# Altium PCB 0020-03_FFT2G.PcbDoc (part 13 of 16)
Units mm, origin at the board's own origin, x right, y up, seen from the top; angles counter-clockwise.
Board outline 195 x 104.5 mm, 12 copper layers (Top Layer, GND1, LVDS1, PWR1, LVDS2, PWR2, LVDS3, PWR3, SIG1, SIG2, GND2, Bottom Layer), stack 1.422 mm thick; 721 components, 650 nets, 4014 pads, 3497 vias.
Unrouted connection lines stored in the file: 78.
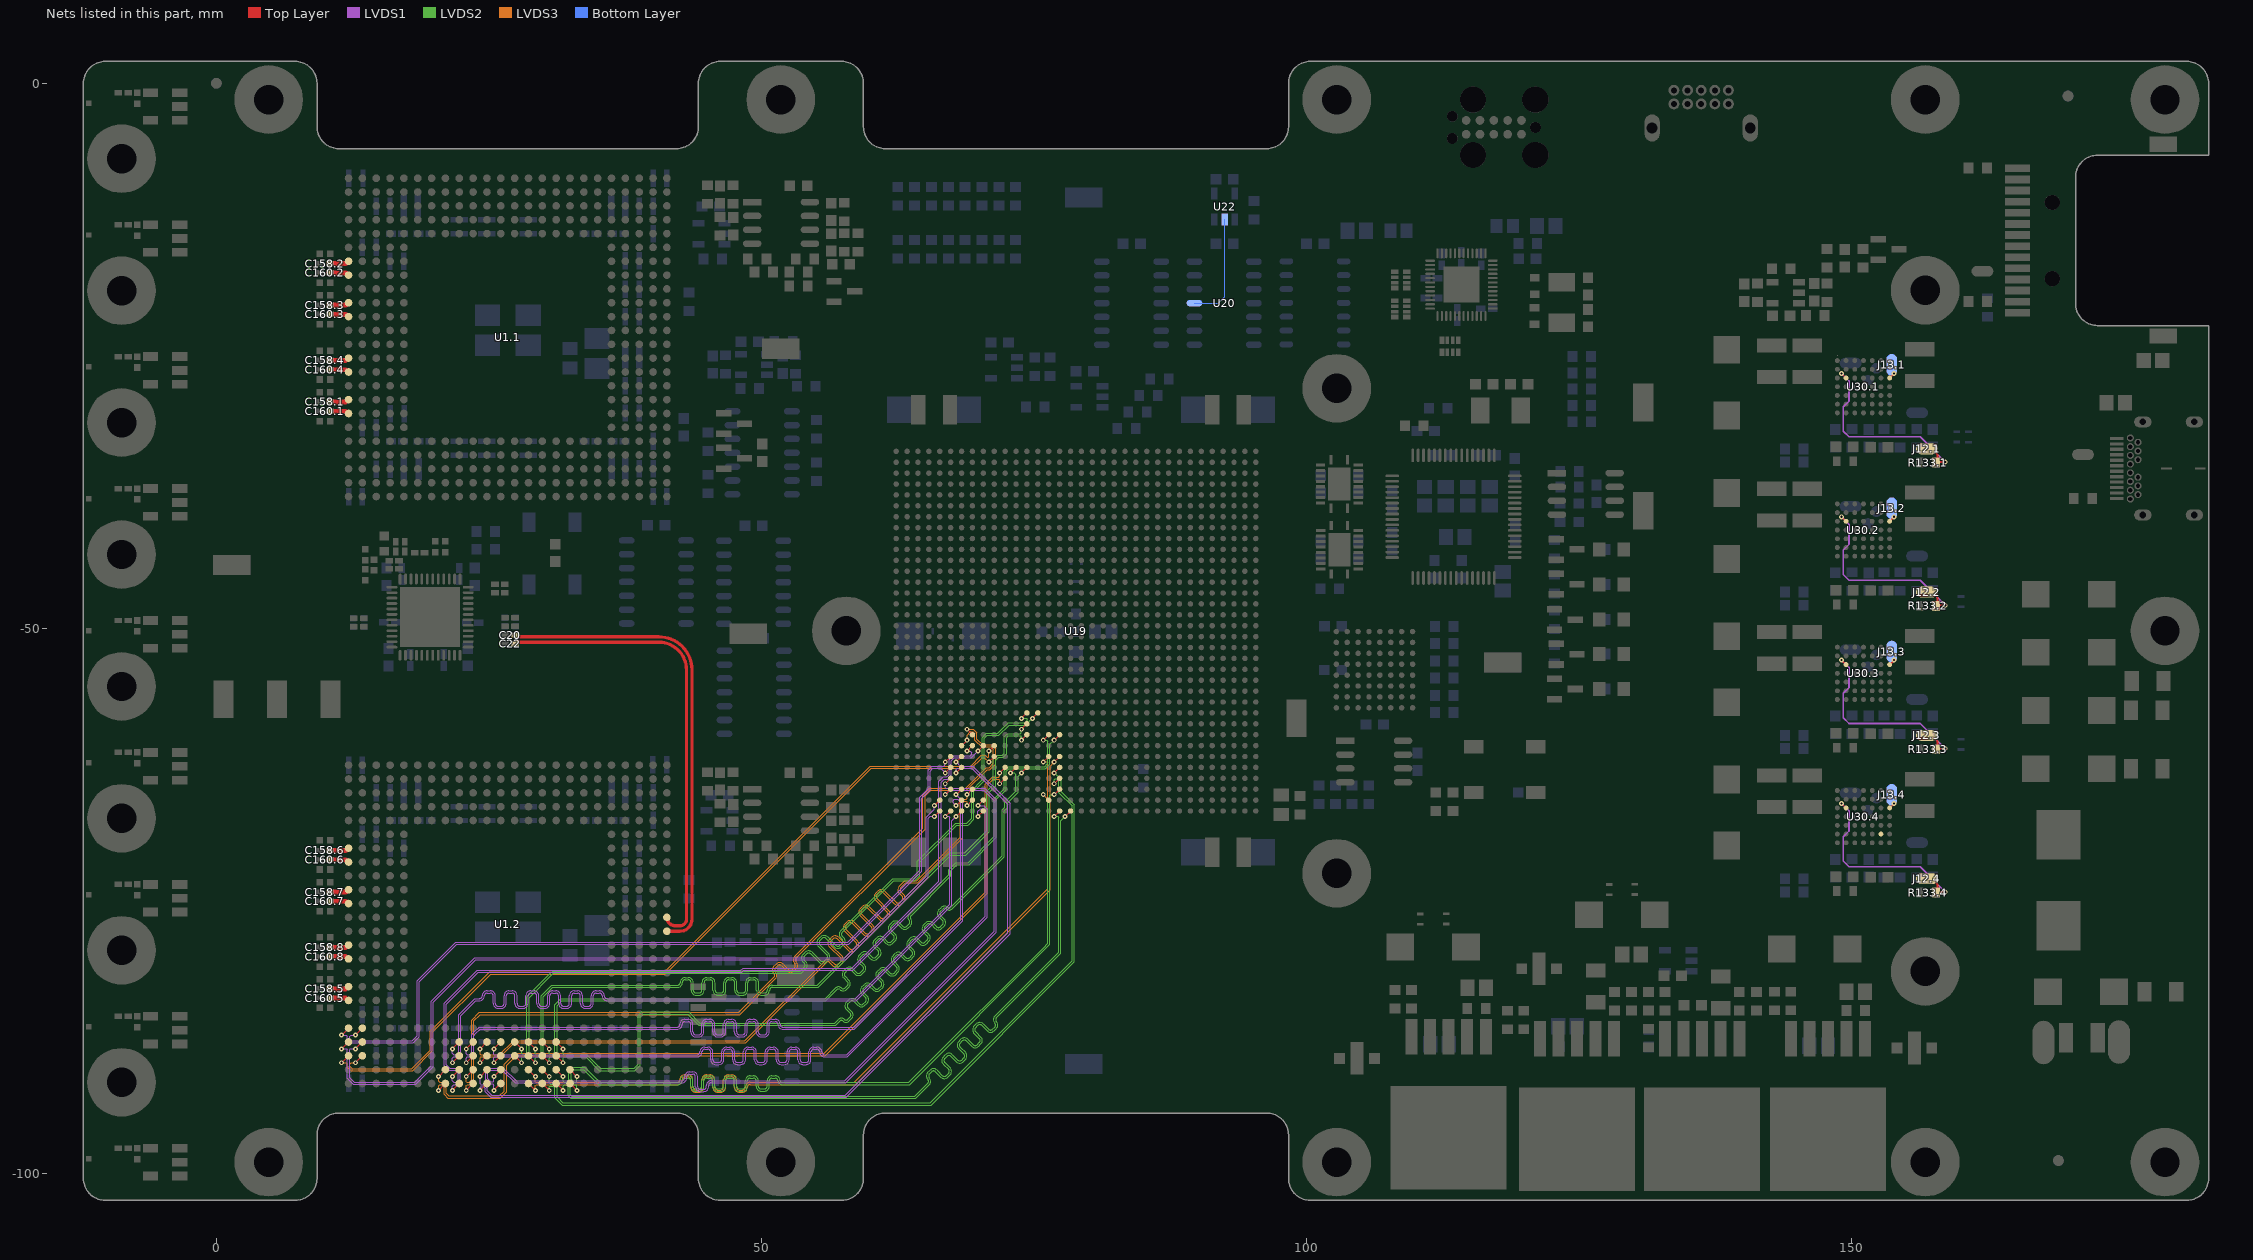
[diagram p23: the nets of this part, all layers, seen from the top]

## Via types
v1: diameter 0.45, hole 0.2, Top Layer to Bottom Layer, tented both sides, 3249 vias
v2: diameter 1, hole 0.5, Top Layer to Bottom Layer, tented both sides, 192 vias
v3: diameter 0.5, hole 0.2, Top Layer to Bottom Layer, tented both sides, 34 vias
v4: diameter 0.6, hole 0.3, Top Layer to Bottom Layer, tented both sides, 12 vias
v5: diameter 0.6, hole 0.2, Top Layer to Bottom Layer, tented both sides, 6 vias
v6: diameter 0.45/0.45/0.45/0.45/0.45/0.45/0.45 (per signal layer), hole 0.2, Top Layer to Bottom Layer, tented both sides, 4 vias

## Nets (pads, with @x,y where several pads share a name; then routed paths per layer and width w, separated by ;. In a path a pad name is that pad's centre, name@x,y a point inside that pad or via, vN(x,y) a via of type N, cw(c..) or ccw(c..) an arc to the next point about the centre after c; other vN are vias at no path point) (continued)
NetU1.1_A7: C160.1.1 U1.1.A7 | length 1.8
  Top Layer w0.45: C160.1.1@10.41,-30.1 11.854,-30.1 12.061,-30.307 U1.1.A7@12.128,-30.307
NetU1.1_A8: C158.1.1 U1.1.A8 | length 1.8
  Top Layer w0.45: C158.1.1@10.41,-29.244 11.854,-29.244 12.061,-29.037 U1.1.A8@12.128,-29.037
NetU1.1_A10: C160.4.1 U1.1.A10 | length 1.8
  Top Layer w0.45: C160.4.1@10.411,-26.29 11.854,-26.29 12.061,-26.497 U1.1.A10@12.128,-26.497
NetU1.1_A11: C158.4.1 U1.1.A11 | length 1.8
  Top Layer w0.45: C158.4.1@10.41,-25.434 11.854,-25.434 12.061,-25.227 U1.1.A11@12.128,-25.227
NetU1.1_A14: C160.3.1 U1.1.A14 | length 1.8
  Top Layer w0.45: C160.3.1@10.41,-21.21 11.854,-21.21 12.061,-21.417 U1.1.A14@12.128,-21.417
NetU1.1_A15: C158.3.1 U1.1.A15 | length 1.8
  Top Layer w0.45: C158.3.1@10.41,-20.354 11.854,-20.354 12.061,-20.147 U1.1.A15@12.128,-20.147
NetU1.1_A17: C160.2.1 U1.1.A17 | length 1.8
  Top Layer w0.45: C160.2.1@10.41,-17.4 11.854,-17.4 12.061,-17.607 U1.1.A17@12.128,-17.607
NetU1.1_A18: C158.2.1 U1.1.A18 | length 1.8
  Top Layer w0.45: C158.2.1@10.41,-16.544 11.854,-16.544 12.061,-16.337 U1.1.A18@12.128,-16.337
NetU1.2_A7: C160.5.1 U1.2.A7 | length 1.8
  Top Layer w0.45: C160.5.1@10.41,-83.953 11.851,-83.953 12.061,-84.163 U1.2.A7@12.128,-84.163
NetU1.2_A8: C158.5.1 U1.2.A8 | length 1.8
  Top Layer w0.45: C158.5.1@10.41,-83.103 11.851,-83.103 12.061,-82.893 U1.2.A8@12.128,-82.893
NetU1.2_A10: C160.8.1 U1.2.A10 | length 1.8
  Top Layer w0.45: C160.8.1@10.41,-80.143 11.851,-80.143 12.061,-80.353 U1.2.A10@12.128,-80.353
NetU1.2_A11: C158.8.1 U1.2.A11 | length 1.8
  Top Layer w0.45: C158.8.1@10.41,-79.293 11.851,-79.293 12.061,-79.083 U1.2.A11@12.128,-79.083
NetU1.2_A14: C160.7.1 U1.2.A14 | length 1.8
  Top Layer w0.45: C160.7.1@10.41,-75.063 11.851,-75.063 12.061,-75.273 U1.2.A14@12.128,-75.273
NetU1.2_A15: C158.7.1 U1.2.A15 | length 1.8
  Top Layer w0.45: C158.7.1@10.41,-74.213 11.851,-74.213 12.061,-74.003 U1.2.A15@12.128,-74.003
NetU1.2_A17: C160.6.1 U1.2.A17 | length 1.8
  Top Layer w0.45: C160.6.1@10.41,-71.253 11.851,-71.253 12.061,-71.463 U1.2.A17@12.128,-71.463
NetU1.2_A18: C158.6.1 U1.2.A18 | length 1.8
  Top Layer w0.45: C158.6.1@10.41,-70.403 11.851,-70.403 12.061,-70.193 U1.2.A18@12.128,-70.193
NetU20_11: U20.11 U22.2 | length 10.1
  Bottom Layer w0.1: U20.11@89.744,-20.179 91.935,-20.179 92.508,-19.606 U22.2@92.508,-12.518
NetU30.4_F2: U30.4.F2
PGOOD.1: J12.1.1 R133.1.1 U30.1.B5 | length 19.7
  Top Layer w0.15: v1@149.124,-26.638 U30.1.B5@149.535,-27.049 ; J12.1.1@156.95,-33.55 157.425,-33.55 157.925,-34.05 157.925,-34.677 R133.1.1@157.844,-34.758 ; R133.1.1@157.789,-34.813 R133.1.1@157.844,-34.758 ; R133.1.1@157.789,-34.758 R133.1.1@157.844,-34.758 ; v1(158.64,-34.758) R133.1.1@157.844,-34.758
  LVDS1 w0.15: v1(149.124,-26.638) 149.801,-27.315 149.801,-29.17 149.281,-29.69 149.281,-31.924 149.804,-32.447 156.329,-32.447 v1(158.64,-34.758)
PGOOD.2: J12.2.1 R133.2.1 U30.2.B5 | length 19.7
  Top Layer w0.15: v1(149.124,-39.787) U30.2.B5@149.535,-40.198 ; J12.2.1@156.95,-46.699 157.425,-46.699 157.925,-47.199 157.925,-47.826 R133.2.1@157.844,-47.907 ; R133.2.1@157.789,-47.962 R133.2.1@157.844,-47.907 ; R133.2.1@157.789,-47.907 R133.2.1@157.844,-47.907 ; v1(158.64,-47.907) R133.2.1@157.844,-47.907
  LVDS1 w0.15: v1(149.124,-39.787) 149.801,-40.464 149.801,-42.319 149.281,-42.839 149.281,-45.073 149.804,-45.596 156.329,-45.596 v1(158.64,-47.907)
PGOOD.3: J12.3.1 R133.3.1 U30.3.B5 | length 19.7
  Top Layer w0.15: v1(149.124,-52.936) U30.3.B5@149.535,-53.348 ; J12.3.1@156.95,-59.848 157.425,-59.848 157.925,-60.348 157.925,-60.975 R133.3.1@157.844,-61.056 ; R133.3.1@157.789,-61.112 R133.3.1@157.844,-61.056 ; R133.3.1@157.789,-61.056 R133.3.1@157.844,-61.056 ; v1(158.64,-61.056) R133.3.1@157.844,-61.056
  LVDS1 w0.15: v1(149.124,-52.936) 149.801,-53.613 149.801,-55.468 149.281,-55.988 149.281,-58.222 149.804,-58.745 156.329,-58.745 v1(158.64,-61.056)
PGOOD.4: J12.4.1 R133.4.1 U30.4.B5 | length 19.7
  Top Layer w0.15: v1(149.124,-66.086) U30.4.B5@149.535,-66.497 ; J12.4.1@156.95,-72.997 157.425,-72.997 157.925,-73.497 157.925,-74.125 R133.4.1@157.844,-74.206 ; R133.4.1@157.789,-74.261 R133.4.1@157.844,-74.206 ; R133.4.1@157.789,-74.206 R133.4.1@157.844,-74.206 ; v1(158.64,-74.206) R133.4.1@157.844,-74.206
  LVDS1 w0.15: v1(149.124,-66.086) 149.801,-66.763 149.801,-68.618 149.281,-69.137 149.281,-71.372 149.804,-71.894 156.329,-71.894 v1(158.64,-74.206)
PHMODE.1: J13.1.1 U30.1.G5 | length 0.6
  Top Layer w0.15: U30.1.G5@153.535,-27.049 v1(153.946,-26.638)
PHMODE.2: J13.2.1 U30.2.G5 | length 0.6
  Top Layer w0.15: U30.2.G5@153.535,-40.198 v1(153.946,-39.788)
PHMODE.3: J13.3.1 U30.3.G5 | length 0.6
  Top Layer w0.15: U30.3.G5@153.535,-53.348 v1(153.946,-52.937)
PHMODE.4: J13.4.1 U30.4.G5 | length 0.6
  Top Layer w0.15: U30.4.G5@153.535,-66.497 v1(153.946,-66.086)
S_CLK_N: C22.1 U1.2.AD13 | length 42.7
  Top Layer w0.3: C22.1@27.4,-51.441 cw(c27.55,-51.441) 27.551,-51.291 40.597,-51.291 cw(c40.597,-53.831) 43.137,-53.831 43.137,-76.71 cw(c42.537,-76.71) 42.537,-77.31 42.105,-77.31 cw(c42.105,-76.543) U1.2.AD13@41.338,-76.543
S_CLK_P: C20.1 U1.2.AD12 | length 43.8
  Top Layer w0.3: C20.1@27.4,-50.641 ccw(c27.55,-50.64) 27.551,-50.791 40.597,-50.791 cw(c40.597,-53.831) 43.637,-53.831 43.637,-76.71 cw(c42.537,-76.71) 42.537,-77.81 ; U1.2.AD12@41.338,-77.813 42.486,-77.813
SA.0_N: U1.2.M4 U19.A26 | length 75.3
  Top Layer w0.1: v1(25.463,-88.608) U1.2.M4@26.098,-87.973 ; v1(69.875,-67.28) U19.A26@70.375,-66.78
  LVDS1 w0.1: v1(25.463,-88.608) 25.463,-89.084 25.522,-89.143 44.109,-89.143 ccw(c44.109,-88.893) 44.359,-88.893 cw(c44.809,-88.893) 44.809,-88.443 45.109,-88.443 cw(c45.109,-88.893) 45.559,-88.893 45.559,-89.593 ccw(c45.809,-89.593) 45.809,-89.843 46.109,-89.843 ccw(c46.109,-89.593) 46.359,-89.593 46.359,-88.893 cw(c46.809,-88.893) 46.809,-88.443 47.109,-88.443 cw(c47.109,-88.893) 47.559,-88.893 47.559,-89.593 ccw(c47.809,-89.593) 47.809,-89.843 48.109,-89.843 ccw(c48.109,-89.593) 48.359,-89.593 48.359,-88.893 cw(c48.809,-88.893) 48.809,-88.443 49.109,-88.443 cw(c49.109,-88.893) 49.559,-88.893 49.559,-89.593 ccw(c49.809,-89.593) 49.809,-89.843 50.109,-89.843 ccw(c50.109,-89.593) 50.359,-89.593 50.359,-88.893 cw(c50.809,-88.893) 50.809,-88.443 51.109,-88.443 cw(c51.109,-88.893) 51.559,-88.893 51.559,-89.593 ccw(c51.809,-89.593) 51.809,-89.843 52.109,-89.843 ccw(c52.109,-89.593) 52.359,-89.593 52.359,-88.893 cw(c52.809,-88.893) 52.809,-88.443 53.109,-88.443 cw(c53.109,-88.893) 53.559,-88.893 53.559,-89.593 ccw(c53.809,-89.593) 53.809,-89.843 54.109,-89.843 ccw(c54.109,-89.593) 54.359,-89.593 54.359,-88.893 cw(c54.809,-88.893) 54.809,-88.443 55.109,-88.443 cw(c55.109,-88.893) 55.559,-88.893 ccw(c55.809,-88.893) 55.809,-89.143 56.267,-89.143 57.824,-89.143 70.543,-76.424 70.543,-66.685 70.415,-66.556 70.129,-66.556 69.875,-66.81 v1(69.875,-67.28)
SA.0_P: U1.2.M3 U19.B26 | length 75.4
  Top Layer w0.1: v1(25.463,-89.878) U1.2.M3@26.098,-89.243 ; v1(69.875,-66.28) U19.B26@70.375,-65.78
  LVDS1 w0.1: v1(25.463,-89.878) 25.463,-89.401 25.522,-89.343 44.109,-89.343 ccw(c44.109,-88.893) 44.559,-88.893 cw(c44.809,-88.893) 44.809,-88.643 45.109,-88.643 cw(c45.109,-88.893) 45.359,-88.893 45.359,-89.593 ccw(c45.809,-89.593) 45.809,-90.043 46.109,-90.043 ccw(c46.109,-89.593) 46.559,-89.593 46.559,-88.893 cw(c46.809,-88.893) 46.809,-88.643 47.109,-88.643 cw(c47.109,-88.893) 47.359,-88.893 47.359,-89.593 ccw(c47.809,-89.593) 47.809,-90.043 48.109,-90.043 ccw(c48.109,-89.593) 48.559,-89.593 48.559,-88.893 cw(c48.809,-88.893) 48.809,-88.643 49.109,-88.643 cw(c49.109,-88.893) 49.359,-88.893 49.359,-89.593 ccw(c49.809,-89.593) 49.809,-90.043 50.109,-90.043 ccw(c50.109,-89.593) 50.559,-89.593 50.559,-88.893 cw(c50.809,-88.893) 50.809,-88.643 51.109,-88.643 cw(c51.109,-88.893) 51.359,-88.893 51.359,-89.593 ccw(c51.809,-89.593) 51.809,-90.043 52.109,-90.043 ccw(c52.109,-89.593) 52.559,-89.593 52.559,-88.893 cw(c52.809,-88.893) 52.809,-88.643 53.109,-88.643 cw(c53.109,-88.893) 53.359,-88.893 53.359,-89.593 ccw(c53.809,-89.593) 53.809,-90.043 54.109,-90.043 ccw(c54.109,-89.593) 54.559,-89.593 54.559,-88.893 cw(c54.809,-88.893) 54.809,-88.643 55.109,-88.643 cw(c55.109,-88.893) 55.359,-88.893 ccw(c55.809,-88.893) 55.809,-89.343 56.267,-89.343 57.907,-89.343 70.743,-76.507 70.743,-66.602 70.556,-66.415 70.421,-66.28 70.129,-66.28 v1(69.875,-66.28)
SA.1_N: U1.2.L2 U19.E28 | length 75.8
  Top Layer w0.1: v1(24.193,-91.148) U1.2.L2@24.828,-90.513 ; v1(67.875,-63.28) U19.E28@68.375,-62.78
  LVDS1 w0.1: v1(24.193,-91.148) 24.193,-91.827 24.252,-91.886 24.611,-91.886 24.858,-92.133 24.858,-92.463 25.259,-92.864 57.707,-92.864 72.623,-77.947 72.623,-66.164 69.314,-62.855 67.969,-62.855 67.875,-62.949 v1(67.875,-63.28)
SA.1_P: U1.2.L1 U19.F28 | length 75.8
  Top Layer w0.1: v1(24.193,-92.418) U1.2.L1@24.828,-91.783 ; v1(67.875,-62.28) U19.F28@68.375,-61.78
  LVDS1 w0.1: v1(24.193,-92.418) 24.193,-92.141 24.249,-92.086 24.528,-92.086 24.658,-92.216 24.658,-92.546 25.176,-93.064 57.79,-93.064 72.823,-78.03 72.823,-66.081 69.397,-62.655 68.25,-62.655 v1(67.875,-62.28)
SA.2_N: U1.2.L4 U19.C27 | length 75.2
  Top Layer w0.1: v1(24.193,-88.608) U1.2.L4@24.828,-87.973 ; v1(68.875,-65.28) U19.C27@69.375,-64.78
  LVDS3 w0.1: v1(24.193,-88.608) 24.193,-89.084 24.252,-89.143 25.973,-89.143 27.268,-87.847 48.503,-87.847 55.801,-80.549 cw(c56.119,-80.867) 56.438,-80.549 56.705,-80.816 ccw(c56.882,-80.639) 57.059,-80.816 57.271,-80.604 ccw(c57.094,-80.427) 57.344,-80.427 ccw(c57.094,-80.427) 57.271,-80.251 56.241,-79.22 cw(c56.559,-78.902) 56.241,-78.584 56.453,-78.372 cw(c56.771,-78.69) 57.089,-78.372 58.119,-79.402 ccw(c58.296,-79.225) 58.473,-79.402 58.685,-79.19 ccw(c58.508,-79.013) 58.758,-79.013 ccw(c58.508,-79.013) 58.685,-78.836 57.655,-77.806 cw(c57.973,-77.488) 57.655,-77.17 57.867,-76.958 cw(c58.185,-77.276) 58.504,-76.958 59.534,-77.988 ccw(c59.71,-77.811) 59.887,-77.988 60.099,-77.776 ccw(c59.922,-77.599) 60.172,-77.599 ccw(c59.922,-77.599) 60.099,-77.422 59.069,-76.392 cw(c59.387,-76.074) 59.069,-75.756 59.281,-75.544 cw(c59.6,-75.862) 59.918,-75.544 60.948,-76.574 ccw(c61.125,-76.397) 61.301,-76.574 61.513,-76.361 ccw(c61.337,-76.185) 61.587,-76.185 ccw(c61.337,-76.185) 61.513,-76.008 60.483,-74.978 cw(c60.802,-74.66) 60.483,-74.341 60.696,-74.129 cw(c61.014,-74.448) 61.332,-74.129 62.362,-75.159 ccw(c62.539,-74.983) 62.716,-75.159 62.928,-74.947 ccw(c62.751,-74.77) 63.001,-74.77 ccw(c62.751,-74.77) 62.928,-74.594 62.66,-74.326 cw(c62.978,-74.008) 62.66,-73.69 63.184,-73.166 64.273,-73.166 68.267,-69.172 68.267,-65.946 68.533,-65.68 68.817,-65.68 68.875,-65.621 v1(68.875,-65.28)
SA.2_P: U1.2.L3 U19.B27 | length 75.2
  Top Layer w0.1: v1(24.193,-89.878) U1.2.L3@24.828,-89.243 ; v1(68.875,-66.28) U19.B27@69.375,-65.78
  LVDS3 w0.1: v1(24.193,-89.878) 24.193,-89.401 24.252,-89.343 26.056,-89.343 27.351,-88.047 48.585,-88.047 55.943,-80.69 cw(c56.119,-80.867) 56.296,-80.69 56.564,-80.958 ccw(c56.882,-80.639) 57.2,-80.958 57.412,-80.746 ccw(c57.094,-80.427) 57.544,-80.427 ccw(c57.094,-80.427) 57.412,-80.109 56.382,-79.079 cw(c56.559,-78.902) 56.382,-78.726 56.594,-78.513 cw(c56.771,-78.69) 56.948,-78.513 57.978,-79.543 ccw(c58.296,-79.225) 58.614,-79.543 58.826,-79.331 ccw(c58.508,-79.013) 58.958,-79.013 ccw(c58.508,-79.013) 58.826,-78.695 57.796,-77.665 cw(c57.973,-77.488) 57.796,-77.311 58.009,-77.099 cw(c58.185,-77.276) 58.362,-77.099 59.392,-78.129 ccw(c59.71,-77.811) 60.029,-78.129 60.241,-77.917 ccw(c59.922,-77.599) 60.372,-77.599 ccw(c59.922,-77.599) 60.241,-77.281 59.211,-76.251 cw(c59.387,-76.074) 59.211,-75.897 59.423,-75.685 cw(c59.6,-75.862) 59.776,-75.685 60.806,-76.715 ccw(c61.125,-76.397) 61.443,-76.715 61.655,-76.503 ccw(c61.337,-76.185) 61.787,-76.185 ccw(c61.337,-76.185) 61.655,-75.866 60.625,-74.836 cw(c60.802,-74.66) 60.625,-74.483 60.837,-74.271 cw(c61.014,-74.448) 61.191,-74.271 62.221,-75.301 ccw(c62.539,-74.983) 62.857,-75.301 63.069,-75.089 ccw(c62.751,-74.77) 63.201,-74.77 ccw(c62.751,-74.77) 63.069,-74.452 62.802,-74.185 cw(c62.978,-74.008) 62.802,-73.831 63.267,-73.366 64.355,-73.366 68.467,-69.254 68.467,-66.029 68.616,-65.88 68.817,-65.88 68.875,-65.938 v1(68.875,-66.28)
SA.3_N: U1.2.K2 U19.G28 | length 74.8
  Top Layer w0.1: v1(22.923,-91.148) U1.2.K2@23.558,-90.513 ; U19.G28@68.375,-60.78 v1(68.875,-60.28)
  LVDS3 w0.1: v1(22.923,-91.148) 22.923,-91.602 23.004,-91.683 23.197,-91.683 23.436,-91.444 23.436,-85.961 24.141,-85.256 47.931,-85.256 51.153,-82.034 ccw(c50.977,-81.857) 51.227,-81.857 ccw(c50.977,-81.857) 51.153,-81.68 cw(c51.472,-81.362) 51.153,-81.044 51.366,-80.832 cw(c51.684,-81.15) 52.002,-80.832 52.497,-81.327 ccw(c52.674,-81.15) 52.851,-81.327 53.063,-81.115 ccw(c52.886,-80.938) 53.136,-80.938 ccw(c52.886,-80.938) 53.063,-80.761 cw(c53.381,-80.443) 53.063,-80.125 64.831,-68.356 64.831,-65.32 65.317,-64.834 65.473,-64.678 68.745,-64.678 70.635,-62.789 70.897,-62.789 71.298,-62.387 71.298,-61.114 71.089,-60.905 70.217,-60.905 69.581,-60.268 69.581,-59.703 69.403,-59.525 69.174,-59.525 68.875,-59.824 v1(68.875,-60.28)
SA.3_P: U1.2.K1 U19.H27 | length 74.9
  Top Layer w0.1: v1(22.923,-92.418) U1.2.K1@23.558,-91.783 ; v1(68.875,-59.28) U19.H27@69.375,-59.78
  LVDS3 w0.1: v1(22.923,-92.418) 22.923,-91.964 23.004,-91.883 23.28,-91.883 23.636,-91.527 23.636,-86.044 24.223,-85.456 48.014,-85.456 51.295,-82.175 ccw(c50.977,-81.857) 51.427,-81.857 ccw(c50.977,-81.857) 51.295,-81.539 cw(c51.472,-81.362) 51.295,-81.185 51.507,-80.973 cw(c51.684,-81.15) 51.861,-80.973 52.356,-81.468 ccw(c52.674,-81.15) 52.992,-81.468 53.204,-81.256 ccw(c52.886,-80.938) 53.336,-80.938 ccw(c52.886,-80.938) 53.204,-80.62 cw(c53.381,-80.443) 53.204,-80.266 65.031,-68.439 65.031,-65.403 65.4,-65.034 65.556,-64.878 68.828,-64.878 70.718,-62.989 70.979,-62.989 71.5,-62.468 71.5,-61.033 71.172,-60.705 70.3,-60.705 69.781,-60.186 69.781,-59.62 69.44,-59.28 v1(68.875,-59.28)
SA.4_N: U1.2.K4 U19.B28 | length 75.3
  Top Layer w0.1: v1(22.923,-88.608) U1.2.K4@23.558,-87.973 ; v1(67.875,-66.28) U19.B28@68.375,-65.78
  LVDS1 w0.1: v1(22.923,-88.608) 22.923,-89.036 23.03,-89.143 23.219,-89.143 23.414,-88.948 23.414,-87.304 23.618,-87.1 24.115,-86.603 42.28,-86.603 ccw(c42.28,-86.353) 42.53,-86.353 cw(c42.98,-86.353) 42.98,-85.903 43.28,-85.903 cw(c43.28,-86.353) 43.73,-86.353 43.73,-87.053 ccw(c43.98,-87.053) 43.98,-87.303 44.28,-87.303 ccw(c44.28,-87.053) 44.53,-87.053 44.53,-86.353 cw(c44.98,-86.353) 44.98,-85.903 45.28,-85.903 cw(c45.28,-86.353) 45.73,-86.353 45.73,-87.053 ccw(c45.98,-87.053) 45.98,-87.303 46.28,-87.303 ccw(c46.28,-87.053) 46.53,-87.053 46.53,-86.353 cw(c46.98,-86.353) 46.98,-85.903 47.28,-85.903 cw(c47.28,-86.353) 47.73,-86.353 47.73,-87.053 ccw(c47.98,-87.053) 47.98,-87.303 48.28,-87.303 ccw(c48.28,-87.053) 48.53,-87.053 48.53,-86.353 cw(c48.98,-86.353) 48.98,-85.903 49.28,-85.903 cw(c49.28,-86.353) 49.73,-86.353 49.73,-87.053 ccw(c49.98,-87.053) 49.98,-87.303 50.28,-87.303 ccw(c50.28,-87.053) 50.53,-87.053 50.53,-86.353 cw(c50.98,-86.353) 50.98,-85.903 51.28,-85.903 cw(c51.28,-86.353) 51.73,-86.353 ccw(c51.98,-86.353) 51.98,-86.603 58.463,-86.603 68.288,-76.777 68.288,-65.993 68.017,-65.722 67.693,-65.722 67.597,-65.818 67.597,-66.001 v1(67.875,-66.28)
SA.4_P: U1.2.K3 U19.C28 | length 75.2
  Top Layer w0.1: v1(22.923,-89.878) U1.2.K3@23.558,-89.243 ; v1(67.875,-65.28) U19.C28@68.375,-64.78
  LVDS1 w0.1: v1(22.923,-89.878) 22.923,-89.449 23.03,-89.343 23.302,-89.343 23.614,-89.031 23.614,-87.387 23.818,-87.182 24.198,-86.803 42.28,-86.803 ccw(c42.28,-86.353) 42.73,-86.353 cw(c42.98,-86.353) 42.98,-86.103 43.28,-86.103 cw(c43.28,-86.353) 43.53,-86.353 43.53,-87.053 ccw(c43.98,-87.053) 43.98,-87.503 44.28,-87.503 ccw(c44.28,-87.053) 44.73,-87.053 44.73,-86.353 cw(c44.98,-86.353) 44.98,-86.103 45.28,-86.103 cw(c45.28,-86.353) 45.53,-86.353 45.53,-87.053 ccw(c45.98,-87.053) 45.98,-87.503 46.28,-87.503 ccw(c46.28,-87.053) 46.73,-87.053 46.73,-86.353 cw(c46.98,-86.353) 46.98,-86.103 47.28,-86.103 cw(c47.28,-86.353) 47.53,-86.353 47.53,-87.053 ccw(c47.98,-87.053) 47.98,-87.503 48.28,-87.503 ccw(c48.28,-87.053) 48.73,-87.053 48.73,-86.353 cw(c48.98,-86.353) 48.98,-86.103 49.28,-86.103 cw(c49.28,-86.353) 49.53,-86.353 49.53,-87.053 ccw(c49.98,-87.053) 49.98,-87.503 50.28,-87.503 ccw(c50.28,-87.053) 50.73,-87.053 50.73,-86.353 cw(c50.98,-86.353) 50.98,-86.103 51.28,-86.103 cw(c51.28,-86.353) 51.53,-86.353 ccw(c51.98,-86.353) 51.98,-86.803 58.546,-86.803 68.488,-76.86 68.488,-65.91 68.45,-65.873 67.875,-65.298 v1(67.875,-65.28)
SA.5_N: U1.2.J2 U19.G27 | length 75.3
  Top Layer w0.1: v1(21.653,-91.148) U1.2.J2@22.288,-90.513 ; v1(68.875,-61.28) U19.G27@69.375,-60.78
  LVDS1 w0.1: v1(21.653,-91.148) 21.653,-91.551 21.785,-91.683 22.039,-91.683 22.191,-91.53 22.191,-90.841 21.912,-90.562 21.324,-90.562 20.899,-90.137 20.899,-84.434 23.942,-81.391 48.126,-81.391 48.329,-81.189 58.318,-81.189 66.3,-73.207 66.3,-64.041 66.687,-63.655 67.031,-63.655 67.25,-63.435 67.25,-62.091 67.637,-61.705 69.182,-61.705 69.298,-61.589 69.298,-61.414 69.164,-61.28 v1(68.875,-61.28)
SA.5_P: U1.2.J1 U19.G26 | length 75.5
  Top Layer w0.1: v1(21.653,-92.418) U1.2.J1@22.288,-91.783 ; v1(69.875,-61.28) U19.G26@70.375,-60.78
  LVDS1 w0.1: v1(21.653,-92.418) 21.653,-92.014 21.785,-91.883 22.122,-91.883 22.391,-91.613 22.391,-90.758 21.995,-90.362 21.407,-90.362 21.099,-90.054 21.099,-84.517 24.024,-81.591 48.209,-81.591 48.411,-81.389 58.401,-81.389 58.808,-80.982 66.5,-73.29 66.5,-64.124 66.77,-63.855 67.113,-63.855 67.45,-63.518 67.45,-62.174 67.72,-61.905 69.265,-61.905 69.875,-61.295 v1(69.875,-61.28)
SA.6_N: U1.2.J4 U19.A29 | length 75.8
  Top Layer w0.1: v1(21.653,-88.608) U1.2.J4@22.288,-87.973 ; v1(66.875,-67.28) U19.A29@67.375,-66.78 ; v1@66.957,-67.361 v1@67.013,-67.305
  LVDS1 w0.1: v1(21.653,-88.608) 21.653,-89.011 21.785,-89.143 22.1,-89.143 22.217,-89.026 22.217,-85.478 23.709,-83.986 24.145,-83.986 ccw(c24.145,-83.736) 24.395,-83.736 cw(c24.845,-83.736) 24.845,-83.286 25.145,-83.286 cw(c25.145,-83.736) 25.595,-83.736 25.595,-84.436 ccw(c25.845,-84.436) 25.845,-84.686 26.145,-84.686 ccw(c26.145,-84.436) 26.395,-84.436 26.395,-83.736 cw(c26.845,-83.736) 26.845,-83.286 27.145,-83.286 cw(c27.145,-83.736) 27.595,-83.736 27.595,-84.436 ccw(c27.845,-84.436) 27.845,-84.686 28.145,-84.686 ccw(c28.145,-84.436) 28.395,-84.436 28.395,-83.736 cw(c28.845,-83.736) 28.845,-83.286 29.145,-83.286 cw(c29.145,-83.736) 29.595,-83.736 29.595,-84.436 ccw(c29.845,-84.436) 29.845,-84.686 30.145,-84.686 ccw(c30.145,-84.436) 30.395,-84.436 30.395,-83.736 cw(c30.845,-83.736) 30.845,-83.286 31.145,-83.286 cw(c31.145,-83.736) 31.595,-83.736 31.595,-84.436 ccw(c31.845,-84.436) 31.845,-84.686 32.145,-84.686 ccw(c32.145,-84.436) 32.395,-84.436 32.395,-83.736 cw(c32.845,-83.736) 32.845,-83.286 33.145,-83.286 cw(c33.145,-83.736) 33.595,-83.736 33.595,-84.436 ccw(c33.845,-84.436) 33.845,-84.686 34.145,-84.686 ccw(c34.145,-84.436) 34.395,-84.436 34.395,-83.736 cw(c34.845,-83.736) 34.845,-83.286 35.145,-83.286 cw(c35.145,-83.736) 35.595,-83.736 ccw(c35.845,-83.736) 35.845,-83.986 58.619,-83.986 67.275,-75.331 67.275,-67.338 67.217,-67.28 v1(66.875,-67.28)
SA.6_P: U1.2.J3 U19.A28 | length 75.8
  Top Layer w0.1: v1(21.653,-89.878) U1.2.J3@22.288,-89.243 ; v1(67.875,-67.28) U19.A28@68.375,-66.78
  LVDS1 w0.1: v1(21.653,-89.878) 21.653,-89.474 21.785,-89.343 22.183,-89.343 22.417,-89.108 22.417,-85.561 23.792,-84.186 24.145,-84.186 ccw(c24.145,-83.736) 24.595,-83.736 cw(c24.845,-83.736) 24.845,-83.486 25.145,-83.486 cw(c25.145,-83.736) 25.395,-83.736 25.395,-84.436 ccw(c25.845,-84.436) 25.845,-84.886 26.145,-84.886 ccw(c26.145,-84.436) 26.595,-84.436 26.595,-83.736 cw(c26.845,-83.736) 26.845,-83.486 27.145,-83.486 cw(c27.145,-83.736) 27.395,-83.736 27.395,-84.436 ccw(c27.845,-84.436) 27.845,-84.886 28.145,-84.886 ccw(c28.145,-84.436) 28.595,-84.436 28.595,-83.736 cw(c28.845,-83.736) 28.845,-83.486 29.145,-83.486 cw(c29.145,-83.736) 29.395,-83.736 29.395,-84.436 ccw(c29.845,-84.436) 29.845,-84.886 30.145,-84.886 ccw(c30.145,-84.436) 30.595,-84.436 30.595,-83.736 cw(c30.845,-83.736) 30.845,-83.486 31.145,-83.486 cw(c31.145,-83.736) 31.395,-83.736 31.395,-84.436 ccw(c31.845,-84.436) 31.845,-84.886 32.145,-84.886 ccw(c32.145,-84.436) 32.595,-84.436 32.595,-83.736 cw(c32.845,-83.736) 32.845,-83.486 33.145,-83.486 cw(c33.145,-83.736) 33.395,-83.736 33.395,-84.436 ccw(c33.845,-84.436) 33.845,-84.886 34.145,-84.886 ccw(c34.145,-84.436) 34.595,-84.436 34.595,-83.736 cw(c34.845,-83.736) 34.845,-83.486 35.145,-83.486 cw(c35.145,-83.736) 35.395,-83.736 ccw(c35.845,-83.736) 35.845,-84.186 58.702,-84.186 67.475,-75.413 67.475,-67.68 v1(67.875,-67.28)